# Altium PCB qfuse_PCB.PcbDoc (part 2 of 2)
Units mm, origin at the board's own origin, x right, y up, seen from the top; angles counter-clockwise.
Board outline 56 x 65 mm, 4 copper layers (Signal Layer 1, Top GND, Bottom GND, Signal Layer 2), stack 1.586 mm thick; 138 components, 67 nets, 465 pads, 427 vias.
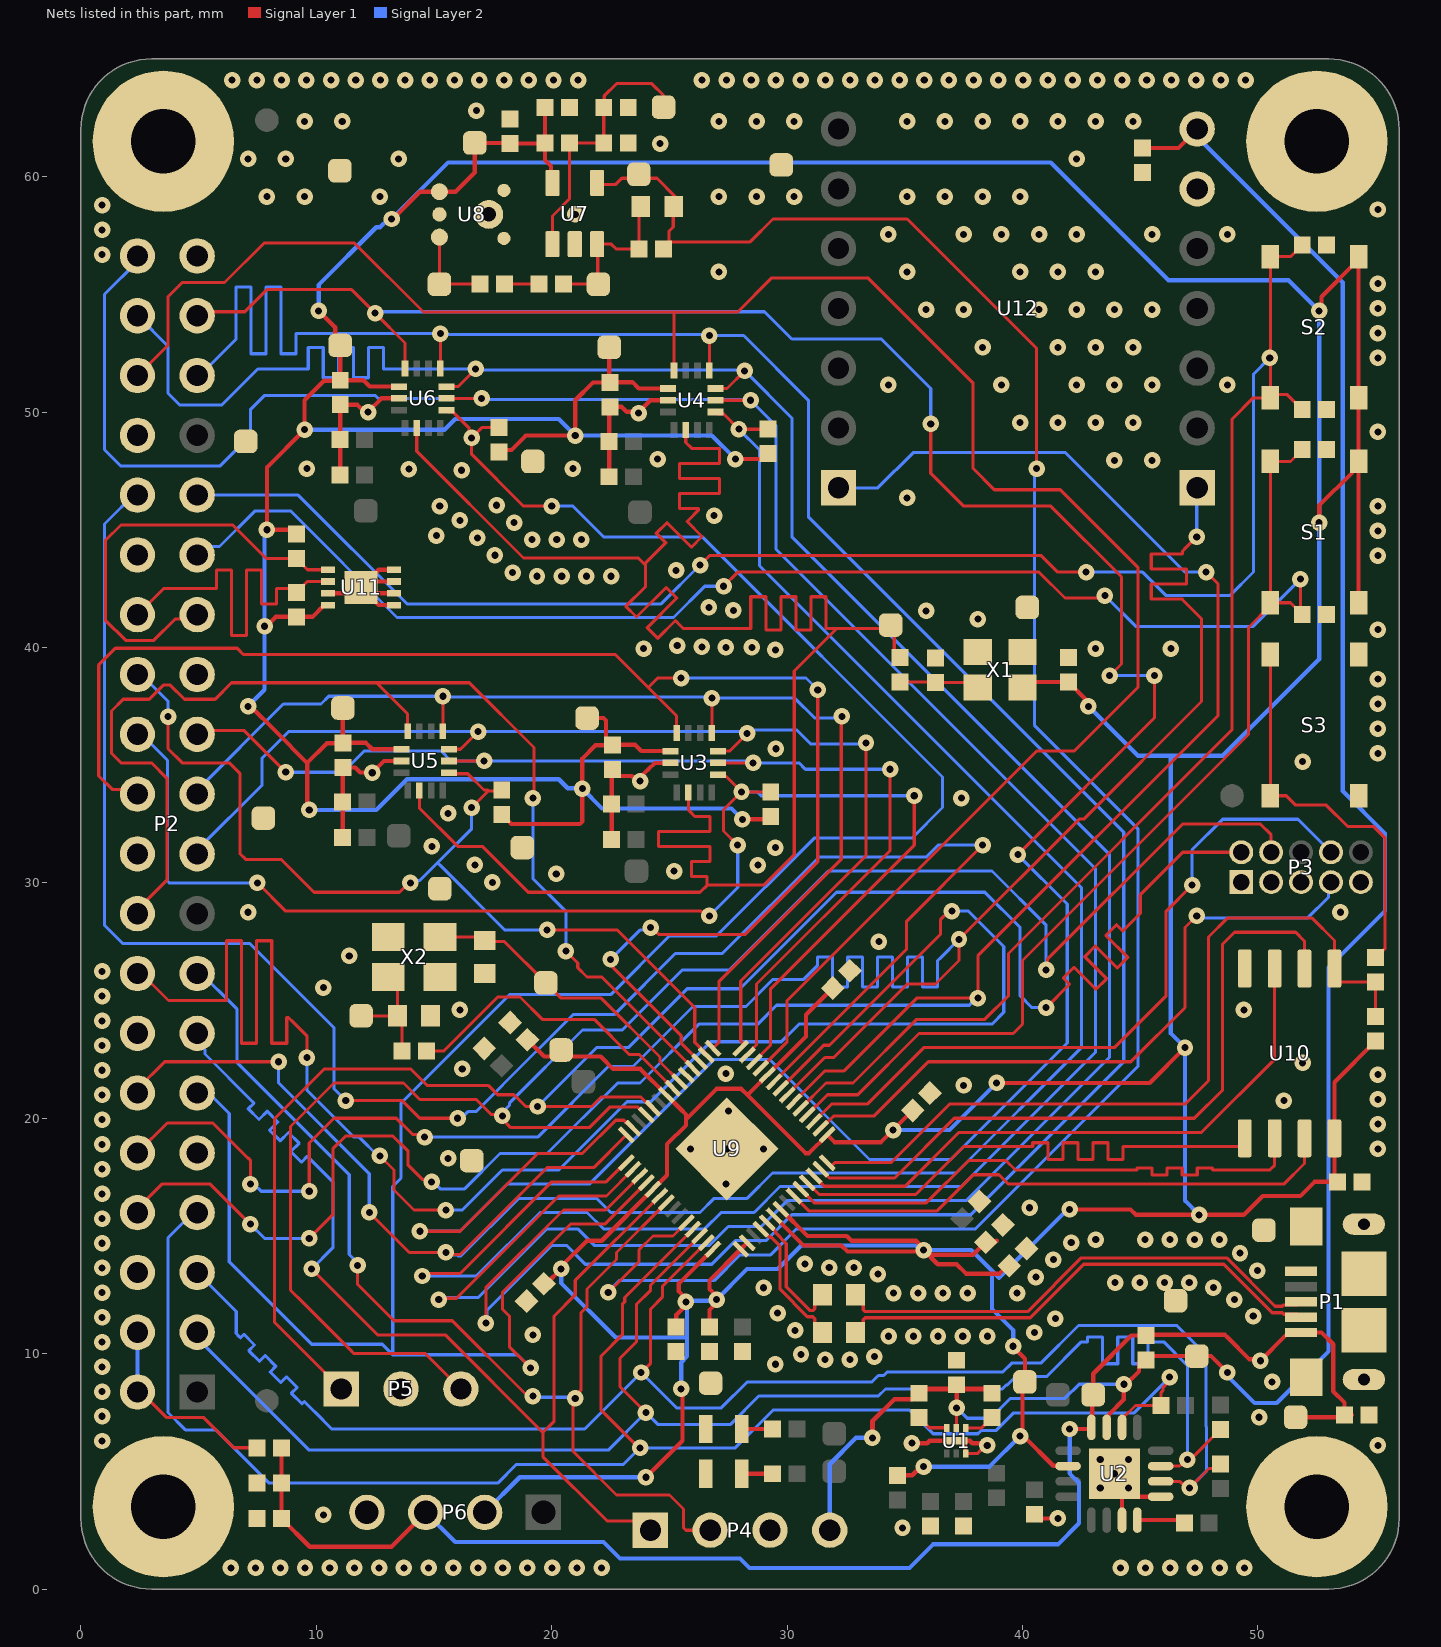
[diagram p4: the nets of this part, all layers, seen from the top]

## Via types
v1: diameter 0.7, hole 0.3, Signal Layer 1 to Signal Layer 2, 427 vias

## Nets (pads, with @x,y where several pads share a name; then routed paths per layer and width w, separated by ;. In a path a pad name is that pad's centre, name@x,y a point inside that pad or via, vN(x,y) a via of type N, cw(c..) or ccw(c..) an arc to the next point about the centre after c; other vN are vias at no path point) (continued)
"+3.3V VDDIO": C9.2 C12.2 C15.2 C18.2 C21.2 C24.2 C27.2 C28.2 C29.2 C30.2 C31.2 C32.2 C33.2 C34.2 C35.2 C41.2 P6.2 R8.2 R13.2 R14.2 R15.2 R16.2 R22.2 R27.2 R28.2 R29.2 S1.A S1.B S2.A S2.B T5.1 T13.1 T14.1 T21.1 T22.1 T26.1 T36.1 U2.14 U3.5 U4.5 U5.5 U6.5 U7.5 U8.4 U9.1 U9.10 U9.22 U9.33 U9.42 U9.43 U9.44 U9.48 U9.49 U10.8 U11.8 X1.4 | length 391.3
  Signal Layer 1 w0.18: v1(7.1,37.5) 7.206,37.5 8.261,36.445 9.61,35.096 ; v1(7.8,40.9) 7.877,40.9 8.277,41.3 9.839,41.3 10.339,41.8 U11.8@10.499,41.8 ; R27.2@9.15,44.82 8.97,45 v1(7.9,45) 7.9,47.65 v1(9.5,49.25) 9.5,50.5 10.33,51.33 10.997,51.33 C15.2@11.017,51.35 ; v1(9.7,33.1) 9.61,33.19 9.61,35.096 ; v1(10.1,54.3) 10.8,53.6 10.8,53.048 T21.1@11.017,52.83 C15.2@11.017,51.35 ; T13.1@11.127,37.427 C12.2@11.127,35.947 ; v1(13.2,58.2) 13.25,58.2 14.41,59.36 U8.4@15.23,59.36 15.91,59.36 16.73,60.18 T26.1@16.73,61.43 18.21,61.43 C24.2@18.23,61.41 19.69,61.41 R22.2@19.71,61.43 ; U6.5@13.505,51.08 12.267,51.08 11.997,51.35 C15.2@11.017,51.35 ; U5.5@13.614,35.677 12.377,35.677 12.107,35.947 C12.2@11.127,35.947 ; R16.2@17.767,48.31 17.848,48.392 18.292,48.392 18.9,49 v1(21,49) 21,50.5 21.75,51.25 22.424,51.25 22.444,51.27 C9.2@22.447,51.27 ; R15.2@17.877,32.907 18.284,32.5 21.195,32.5 21.3,32.605 v1(21.3,34) 21.3,35.287 21.86,35.846 22.534,35.846 22.554,35.866 C18.2@22.557,35.866 ; C31.2@18.968,23.332 19.68,22.62 20.12,22.62 T36.1@20.4,22.9 20.68,22.62 22.08,22.62 22.6,22.1 23.76,22.1 U9.22@24.869,20.991 25.48,20.38 25.7,20.16 25.7,19.95 ; C32.2@19.668,12.968 19.768,12.968 v1(20.4,13.6) 20.4,13.7 21.5,14.8 22.122,14.8 U9.33@24.303,16.982 24.9,17.578 24.9,18.9 25.7,19.7 25.7,19.95 ; C27.2@19.71,62.93 R22.2@19.71,61.43 ; U7.5@20.03,59.73 19.965,59.795 19.965,60.445 19.71,60.7 R22.2@19.71,61.43 ; T14.1@21.5,37 22.201,37 22.307,36.895 22.307,36.117 C18.2@22.557,35.866 ; T22.1@22.444,52.75 22.444,51.274 C9.2@22.447,51.27 ; C9.2@22.467,51.25 C9.2@22.447,51.27 ; C18.2@22.577,35.847 C18.2@22.557,35.866 ; v1(24,4.75) 25.55,6.3 25.55,8.45 v1(25.5,8.5) ; U4.5@24.931,51 23.694,51 23.424,51.27 C9.2@22.447,51.27 ; U3.5@25.041,35.596 23.804,35.596 23.534,35.866 C18.2@22.557,35.866 ; C33.2@25.282,11.126 25.292,11.137 25.292,11.652 25.7,12.059 25.7,12.341 25.4,12.641 25.4,12.987 U9.42@26.849,14.436 ; C28.2@26.697,11.127 26.7,11.13 26.7,11.859 27,12.159 27,12.441 26.7,12.741 26.7,13.106 U9.43@28.03,14.436 U9.44@28.313,14.719 ; v1(27.8,48) 28.964,48 R14.2@29.194,48.23 ; v1(28.1,32.7) 29.177,32.7 R13.2@29.304,32.826 ; U9.48@29.444,15.85 30.694,14.6 32.3,14.6 32.56,14.34 35.74,14.34 v1(35.8,14.4) ; U9.49@29.727,16.133 30.86,15 32.535,15 32.735,14.8 35.472,14.8 35.8,14.472 v1(35.8,14.4) ; C30.2@32,25.6 30.8,24.4 30.8,23.478 U9.10@29.161,21.84 28.311,20.989 ; R8.2@34.684,4.82 34.7,4.836 35.314,4.836 35.679,5.2 v1(35.8,5.2) ; C29.2@35.332,20.332 v1(34.5,19.5) 33.985,18.985 32.015,18.985 U9.1@31.707,19.294 30.931,18.518 30.782,18.518 28.311,20.989 ; v1@36.077,14.2 37.9,14.2 C35.2@38.432,14.732 ; C35.2@38.355,14.532 38.614,14.532 38.88,14.798 38.898,14.798 38.9,14.8 ; v1(38.9,21.5) 45.4,21.5 v1(46.9,23) ; C34.2@39.432,13.732 39.355,13.732 39.023,13.4 37.6,13.4 37.2,13.8 36.4,13.8 v1(35.8,14.4) ; v1(39.6,10.315) 39.6,10.285 40.1,9.785 T5.1@40.1,8.815 ; X1.4@40,38.3 40.23,38.53 C21.2@41.95,38.53 42.701,37.779 42.701,37.599 v1(42.8,37.5) ; T5.1@40.002,8.698 39.999,8.696 39.999,6.599 v1(39.9,6.5) 40.041,6.5 41.303,5.238 41.919,5.238 U2.14@41.932,5.225 ; v1(42,16.125) 44.588,16.125 44.813,15.9 v1(47.5,15.9) 49.4,15.9 50.2,16.7 51.8,16.7 52.4,17.3 C41.2@53.38,17.3 53.248,17.432 U10.8@53.248,19.149 53.248,21.528 R29.2@55,23.28 ; v1(52.6,45.3) 52.6,46.025 53.99,47.415 53.99,47.49 54.2,47.7 S1.A@54.275,47.7 ; v1(52.6,54.3) 52.699,54.399 52.699,54.899 S2.A@54.275,56.475 ; S1.B@54.275,41.9 S1.A@54.275,47.7 ; S2.A@54.275,56.6 S2.A@54.275,56.475 ; 9.61,35.096 10.44,35.927 11.107,35.927 C12.2@11.127,35.947 ; 25.7,19.95 27,21.25 28.05,21.25 28.311,20.989 ; S1.A@54.275,47.7 S1.A@54.275,47.9 S2.B@54.275,50.6 S2.A@54.275,56.475
  Signal Layer 2 w0.18: v1(7.1,37.5) 7.8,38.2 7.8,44.759 7.9,44.859 v1(7.9,45) ; v1(9.5,49.25) 15.45,49.25 15.9,49.7 20.3,49.7 v1(21,49) 26.8,49 v1(27.8,48) ; v1(9.7,33.1) 12.548,33.1 13.848,34.4 20.3,34.4 20.68,34.02 21.28,34.02 v1(21.3,34) 22.139,33.161 27.639,33.161 v1(28.1,32.7) ; v1(10.1,54.3) 10.1,55.4 12.548,57.848 12.707,57.848 13.059,58.2 v1(13.2,58.2) 15.6,60.6 41.2,60.6 46.2,55.6 51.3,55.6 v1(52.6,54.3) v1(52.6,45.3) 52.6,39.5 48.5,35.4 46.3,35.4 ; P6.2@17.15,3.258 18.642,4.75 v1(24,4.75) ; v1(20.4,13.6) 20.4,13 22.717,10.683 25.75,10.683 ; v1(25.5,8.5) 25.5,9.637 25.75,9.887 25.75,10.683 ; v1(34.5,19.5) 36.9,19.5 v1(38.9,21.5) ; v1(35.8,5.2) 38.6,5.2 v1(39.9,6.5) ; v1(39.6,10.315) 39.6,11 38.7,11.9 38.7,13.523 ; v1(42,16.125) 41.902,16.125 39,13.223 38.7,13.523 ; v1(42.8,37.5) 44.9,35.4 46.3,35.4 ; v1(47.5,15.9) 46.9,16.5 v1(46.9,23) 46.3,23.6 46.3,35.4 ; 25.75,10.683 25.75,12.25 26.95,12.25 28.3,13.6 29.6,13.6 30.6,14.6 35.459,14.6 35.659,14.4 37.823,14.4 38.7,13.523
  other v1: 25.7,12.2 27,12.3
+3V3: P3.1
"+5 VCC IN": C1.2 C6.2 C43.2 P1.1 P6.3 R1.2 R7.1 T1.1 T4.1 U2.12 | length 64.4
  Signal Layer 1 w0.18: R1.2@8.52,6 C43.2@8.52,4.5 C6.2@8.52,3 9.72,1.8 13.192,1.8 P6.3@14.65,3.258 ; v1(42,6.8) 42.84,6.8 42.925,6.715 42.925,6.8 U2.12@42.925,6.868 42.96,6.904 42.96,8.21 T4.1@43,8.25 43,9.15 44.62,10.77 R7.1@45.25,10.77 45.28,10.8 48.6,10.8 48.7,10.7 49.642,9.758 50.042,9.758 v1(50.1,9.7) 51.19,10.79 51.715,10.79 P1.1@51.825,10.9 ; T1.1@51.6,7.3 53.58,7.3 C1.2@53.68,7.4 53.68,7.92 53.2,8.4 53.2,10.4 52.7,10.9 P1.1@52.4,10.9 ; C1.2@53.856,7.524 C1.2@53.98,7.4
  Signal Layer 2 w0.18: P6.3@14.602,3.298 15.9,2 22.2,2 22.9,1.3 28,1.3 28.4,0.9 35.2,0.9 36.2,1.9 41.502,1.9 42.4,2.798 42.4,4.516 42,4.916 v1(42,6.8)
"+5V VCC": C2.2 C42.2 P4.4 R4.1 R6.1 R7.2 T3.1 U1.5 U2.11 U12.13 | length 94.2
  Signal Layer 1 w0.131: U1.5@37.184,6.847 37.192,6.855 37.192,7.692 v1(37.2,7.7)
  Signal Layer 1 w0.18: U2.11@43.575,6.868 43.575,7.28 43.667,7.372 43.667,7.417 44.3,8.05 v1(44.3,8.7) 44.4,8.7 44.95,9.25 44.95,9.63 45.1,9.78 45.2,9.78 R7.2@45.25,9.73 45.42,9.9 T3.1@47.4,9.9 48,9.9 v1(48.7,9.2) ; C42.2@45.1,61.22 46.62,61.22 U12.13@47.42,62.02
  Signal Layer 1 w0.2: v1(33.625,6.425) 33.625,7.125 34.56,8.06 35.34,8.06 35.78,8.5 37.02,8.5 C2.2@37.2,8.68 ; v1(37.2,7.7) C2.2@37.2,8.68 ; R6.1@38.7,8.32 38.52,8.5 37.38,8.5 C2.2@37.2,8.68
  Signal Layer 2 w0.14: v1(37.2,7.7) 37.212,7.7 37.652,7.26 38.647,7.26 39.487,8.1 41.8,8.1 42.4,8.7 v1(44.3,8.7)
  Signal Layer 2 w0.18: U12.13@47.42,62.02 47.42,61.68 53.6,55.5 53.6,33.9 55.4,32.1 55.4,28.8 53,26.4 53,10.1 50.8,7.9 49.859,7.9 48.7,9.059 v1(48.7,9.2)
  Signal Layer 2 w0.2: P4.4@31.81,2 31.81,5.31 32.925,6.425 v1(33.625,6.425)
CLK: C23.2 R19.1 X1.3 | length 3.4
  Signal Layer 1 w0.131: R19.1@34.8,38.53 36.28,38.53 C23.2@36.3,38.51 37.89,38.51 X1.3@38.1,38.3
CLOCK: R19.2 T25.1 U3.9 U4.9 U5.9 U6.9 | length 97
  Signal Layer 1 w0.131: U6.9@14.267,49.318 14.267,48.333 18.8,43.8 23.675,43.8 23.938,43.537 ; U5.9@14.377,33.915 14.377,33.177 16.004,31.55 17.05,31.55 19,29.6 26.3,29.6 26.6,29.9 ; U4.9@25.694,49.238 25.694,48.839 25.694,48.706 25.941,48.459 27.125,48.459 27.125,47.82 25.429,47.82 25.429,47.181 27.125,47.181 27.125,46.542 25.429,46.542 25.429,45.903 26.226,45.903 26.226,45.826 26.161,45.761 25.872,45.472 25.75,45.35 26.386,44.714 25.934,44.262 24.893,45.304 24.441,44.852 24.846,44.446 24.8,44.4 23.975,43.575 23.975,43.49 23.975,42.569 23.151,41.744 23.602,41.293 24.858,42.548 25.31,42.097 24.054,40.841 24.506,40.389 25.259,41.141 25.313,41.087 25.359,41.041 25.6,40.8 28.39,40.8 28.455,40.8 28.455,42.153 29.094,42.153 29.094,40.732 29.733,40.732 29.733,42.153 30.372,42.153 30.372,40.732 31.011,40.732 31.011,42.153 31.65,42.153 31.65,40.8 31.8,40.8 32.1,40.8 ; U3.9@25.804,33.834 25.804,33.105 25.804,33.096 25.86,33.04 26.078,32.822 26.723,32.822 26.723,32.183 24.542,32.183 24.542,31.544 26.723,31.544 26.723,30.905 25.943,30.905 25.943,30.266 26.6,30.266 26.6,30.2 26.6,29.9 ; R19.2@34.8,39.57 34.55,39.82 34.55,40.8 T25.1@34.4,40.95 34.25,40.8 32.1,40.8 ; 26.6,29.9 29,29.9 30.3,31.2 30.3,39 32.1,40.8
CONNECT_CTS: P2.16 U9.8 | length 79.1
  Signal Layer 1 w0.131: P2.16@2.4,26.32 3.72,25 6.123,25 6.189,25 6.189,27.54 6.828,27.54 6.828,23.187 7.467,23.187 7.467,27.54 8.106,27.54 8.106,23.187 8.745,23.187 8.745,24.279 8.821,24.279 9,24.1 9.6,23.5 v1(9.6,22.575) ; v1(12.7,18.4) 13.3,17.8 13.3,16.95 14.15,16.1 v1(15.5,16.1) ; U9.8@29.727,21.274 31.553,23.1 31.8,23.1 36.506,27.806 36.506,28.428 36.878,28.8 v1(37,28.8)
  Signal Layer 2 w0.131: v1(9.6,22.575) 9.6,21.2 11.6,19.2 11.822,19.2 12.622,18.4 v1(12.7,18.4) ; v1(15.5,16.1) 16.2,16.1 17.9,17.8 20.3,17.8 23.2,20.7 24.2,20.7 26.75,23.25 29.75,23.25 30.5,24 38.7,24 39.2,24.5 39.2,27.3 37.7,28.8 v1(37,28.8)
CONNECT_RTS: P2.32 U9.9 | length 79.8
  Signal Layer 1 w0.131: v1(11.25,20.75) 13.65,20.75 14.4,20 v1(16,20) ; U9.9@29.444,21.557 35.075,27.188 35.075,28.375 v1(38.3,31.6)
  Signal Layer 2 w0.131: P2.32@2.4,46.64 1,45.24 1,28.2 1.775,27.425 7.175,27.425 10.75,23.85 10.75,21.25 v1(11.25,20.75) ; v1(16,20) 16.154,20 16.437,20.283 16.783,20.283 19.1,22.6 19.5,23 20.9,24.4 22.65,24.4 25.25,27 27.25,27 31.35,31.1 35.907,31.1 36.407,31.6 v1(38.3,31.6)
CONNECT_RX: P2.10 U9.7 U12.7 | length 94.3
  Signal Layer 1 w0.131: P2.10@2.4,18.53 3.67,19.8 5.6,19.8 7.1,18.3 7.123,18.3 7.2,18.223 v1(7.2,17.2) ; v1(9.7,16.9) 9.7,18.95 10.75,20 13.4,20 14.091,19.309 14.491,19.309 v1(14.6,19.2) ; U9.7@30.01,20.991 31.6,22.581 31.981,22.581 35.1,25.7 36.3,25.7 37.3,26.7 v1(37.3,27.6) 42.404,32.704 42.604,32.704 47.6,37.7 47.6,41.223 46.83,41.993 46.8,42.023 46.8,42.058 45.466,42.058 45.466,42.697 46.973,42.697 46.973,43.336 45.466,43.336 45.466,43.975 46.8,43.975 46.8,44.1 46.907,44.207 v1(47.4,44.7)
  Signal Layer 2 w0.131: v1(7.2,17.2) 7.354,17.2 7.654,16.9 v1(9.7,16.9) ; v1(14.6,19.2) 19.4,19.2 22.4,22.2 23.45,22.2 26,24.75 28.25,24.75 29.4,25.9 30.7,25.9 31.216,26.416 31.281,26.481 31.281,26.856 31.92,26.856 31.92,25.576 32.559,25.576 32.559,26.856 33.198,26.856 33.198,25.576 33.837,25.576 33.837,26.856 34.476,26.856 34.476,25.576 35.115,25.576 35.115,26.856 35.754,26.856 35.754,25.576 36.393,25.576 36.393,26.7 36.4,26.7 36.497,26.797 v1(37.3,27.6) ; v1(47.4,44.7) 47.4,46.76 U12.7@47.42,46.78
CONNECT_TX: P2.8 U9.6 U12.6 | length 95.7
  Signal Layer 1 w0.131: P2.8@2.4,16.16 3.44,17.2 5.5,17.2 v1(7.2,15.5) ; v1(9.7,14.9) 10.7,15.9 10.7,18.7 11.25,19.25 13.25,19.25 13.9,18.6 13.9,18 14.495,17.405 14.795,17.405 v1(14.9,17.3) ; U9.6@30.293,20.708 31.584,22 32.4,22 35.5,25.1 v1(38.1,25.1) 38.1,26.9 48.3,37.1 48.3,42.7 v1(47.8,43.2)
  Signal Layer 2 w0.131: v1(7.2,15.5) 7.8,14.9 v1(9.7,14.9) ; v1(14.9,17.3) 14.961,17.3 15.261,17 16.3,17 17.8,18.5 19.8,18.5 22.8,21.5 23.75,21.5 26.25,24 28.75,24 29.55,24.8 37.739,24.8 38.039,25.1 v1(38.1,25.1) ; U12.6@32.18,46.78 33.855,46.78 35.35,48.275 41.825,48.275 46.9,43.2 v1(47.8,43.2)
DEBUG_RX: P3.7 U9.2 | length 28.4
  Signal Layer 1 w0.131: U9.2@31.424,19.577 31.469,19.577 31.992,20.1 33.7,20.1 36,22.4 44.6,22.4 46.9,24.7 46.9,28.1 v1(47.4,28.6)
  Signal Layer 2 w0.131: v1(47.4,28.6) 47.5,28.5 52.1,28.5 53.002,29.402 53.002,29.932 P3.7@53.1,30.03
DEBUG_TX: P3.8 U9.3 | length 30.8
  Signal Layer 1 w0.131: U9.3@31.141,19.86 31.881,20.6 33.4,20.6 35.8,23 43.9,23 46.1,25.2 46.1,28.8 v1(47.2,29.9)
  Signal Layer 2 w0.131: v1(47.2,29.9) 47.2,31.4 48.5,32.7 51.7,32.7 P3.8@53.1,31.3
EEPROM_SCL: P2.28 R28.1 U11.6 | length 17.3
  Signal Layer 1 w0.131: P2.28@2.4,41.39 3.51,42.5 5.691,42.5 5.757,42.5 5.757,43.29 6.396,43.29 6.396,40.514 7.035,40.514 7.035,43.29 7.674,43.29 7.674,41.843 8.313,41.843 8.313,42.5 8.395,42.5 8.99,42.5 R28.1@9.15,42.34 9.611,42.801 U11.6@10.499,42.801
EEPROM_SDA: P2.27 R27.1 U11.5 | length 18.7
  Signal Layer 1 w0.131: P2.27@4.94,41.56 4.583,41.56 4.223,41.2 4,41.2 3.1,40.3 1.9,40.3 1.041,41.159 1.041,44.541 1.7,45.2 6.457,45.2 7.877,43.78 R27.1@9.15,43.78 9.628,43.302 U11.5@10.499,43.302
GND: C1.1 C2.1 C3.1 C4.1 C5.1 C6.1 C7.1 C8.1 C9.1 C10.1 C11.1 C12.1 C13.1 C14.1 C15.1 C16.1 C17.1 C18.1 C20.1 C21.1 C23.1 C24.1 C25.1 C26.1 C27.1 C28.1 C29.1 C30.1 C31.1 C32.1 C33.1 C34.1 C35.1 C36.2 C37.1 C38.1 C39.1 C40.1 C41.1 C42.1 C43.1 D1.C D2.C P1.5 P1.S1 P1.S2 P1.S3 P1.S4 P1.S5 P1.S6 P2.6 P2.9 P2.14 P2.20 P2.25 P2.30 P2.34 P2.39 P3.3 P3.5 P3.9 P4.3 P5.2 P6.4 pad.6 pad.7 pad.8 pad.9 R18.1 R21.1 R23.1 S3.A S3.B T2.1 T9.1 T11.1 T15.1 T16.1 T23.1 T24.1 T30.1 T31.1 T33.1 T34.1 T35.1 U1.3 U1.7 U2.3 U2.5 U2.17 U3.6 U4.6 U5.6 U6.6 U7.2 U8.2 U8.3 U8.5 U8.6 U9.19 U9.57 U10.4 U11.1 U11.2 U11.3 U11.4 U11.7 U11.9 U12.12 X1.1 X1.2 X2.2 X2.4 | length 41.8
  Signal Layer 1 w0.131: U1.3@37.584,5.752 37.584,5.826 U1.7@37.584,6.215 ; U1.3@37.584,5.8 U1.3@37.631,5.753 ; U1.3@37.631,5.752 38.075,5.752 38.422,6.1 v1(38.5,6.1)
  Signal Layer 1 w0.18: U11.7@10.499,42.302 11.652,42.302 U11.9@11.9,42.55 ; C13.1@10.997,47.33 11.017,47.35 C15.1@11.017,50.31 11.022,50.306 11.754,50.306 12.059,50 v1(12.2,50) 12.2,50.013 12.767,50.58 U6.6@13.505,50.58 ; C10.1@11.107,31.927 11.127,31.947 C12.1@11.127,34.907 11.131,34.902 11.651,34.902 11.868,34.685 12.368,34.685 v1(12.377,34.677) 12.877,35.177 U5.6@13.614,35.177 ; U11.1@13.299,41.8 12.65,41.8 U11.9@12.148,42.302 ; U11.2@13.299,42.302 U11.9@12.148,42.302 ; U11.3@13.299,42.8 U11.9@12.15,42.8 ; U11.4@13.299,43.302 12.652,43.302 U11.9@12.15,42.8 ; C7.1@22.424,47.25 22.444,47.27 22.444,50.23 22.448,50.225 22.968,50.225 23.185,50.008 23.643,50.008 v1(23.694,49.958) ; C16.1@22.534,31.846 22.554,31.866 22.554,33.346 22.554,34.826 22.843,34.537 23.398,34.537 23.609,34.325 v1(23.75,34.325) 23.75,34.466 24.115,34.831 24.38,35.097 U3.6@25.041,35.097 ; v1@23.694,50 24.194,50.5 U4.6@24.931,50.5 ; v1(27.439,18.704) U9.57@27.439,20.118 ; C3.1@40.5,3.18 40.77,2.91 40.77,3 v1(41.5,3) ; v1(43.9,4.9) 44.225,4.575 U2.3@44.225,2.931 ; v1(44.5,4.3) 44.875,3.925 U2.5@45.869,3.925 ; U11.9@11.9,42.55 U11.9@12.15,42.8 ; U11.9@11.9,42.55 U11.9@12.148,42.302
  Signal Layer 1 w0.2: v1(35.3,6.2) 35.95,6.2 36.05,6.3 37.765,6.3 37.869,6.196 38.404,6.196 v1(38.5,6.1)
  other v1: 6.369,0.903 7.419,0.903 8.469,0.903 9.519,0.903 10.569,0.903 11.619,0.903 12.669,0.903 13.719,0.903 14.769,0.903 15.819,0.903 16.869,0.903 17.919,0.903 18.969,0.903 20.019,0.903 21.069,0.903 22.119,0.903 44.169,0.903 45.219,0.903 46.269,0.903 47.319,0.903 48.369,0.903 49.419,0.903 34.9,2.6 10.3,3.15 43.3,4.3 43.3,5.5 44.5,5.5 55.097,6.103 0.903,6.291 50.05,7.3 0.903,7.341 0.903,8.391 50.6,8.8 0.903,9.441 29.5,9.55 31.615,9.744 32.665,9.744 33.706,9.879 30.589,9.966 0.903,10.491 34.308,10.74 35.358,10.74 36.408,10.74 37.458,10.74 38.508,10.74 19.2,10.8 40.5,10.9 30.342,10.987 41.397,11.491 0.903,11.541 49.8,11.6 29.596,11.725 49,12.3 34.518,12.571 35.568,12.571 36.618,12.571 37.668,12.571 39.768,12.571 0.903,12.591 29,12.8 48.109,12.807 43.931,13.018 44.981,13.018 46.031,13.018 47.081,13.018 40.567,13.251 33.851,13.382 49.979,13.527 0.903,13.641 31.787,13.656 32.837,13.656 30.749,13.815 41.31,13.994 49.237,14.269 0.903,14.691 42.067,14.721 48.36,14.846 43.11,14.849 45.21,14.849 46.26,14.849 47.31,14.849 0.903,15.741 40.3,16.2 0.903,16.791 27.4,17.2 0.903,17.841 15.6,18.3 25.9,18.7 29,18.7 55.097,18.703 0.903,18.891 55.097,19.753 0.903,19.941 27.5,20.3 51.1,20.75 55.097,20.803 0.903,20.991 37.5,21.4 55.097,21.853 27.4,21.9 0.903,22.041 16.2,22.1 51.9,22.35 0.903,23.091 0.903,24.141 16.1,24.6 49.4,24.6 0.903,25.191 10.3,25.55 0.903,26.241 11.4,26.9 33.9,27.5 7.1,28.75 53.5,28.75 17.478,30.023 20.191,30.377 25.2,30.5 16.735,30.766 28.755,30.754 29.498,31.497 14.907,31.547 15.6,32.95 37.4,33.6 51.9,35.15 55.097,35.503 29.523,35.696 55.097,36.553 55.097,37.603 55.097,38.653 29.5,39.9 23.9,39.95 43.1,39.95 46.3,39.95 27.4,40 28.5,40 26.381,40.023 25.332,40.076 55.097,40.753 38.1,41.2 35.9,41.55 27.72,41.577 26.678,41.705 19.374,43.023 20.424,43.023 21.474,43.023 22.524,43.023 18.336,43.18 25.287,43.274 55.097,43.903 17.586,43.915 19.163,44.577 20.213,44.577 21.263,44.577 16.844,44.658 15.1,44.75 55.097,44.953 18.4,45.299 16.101,45.4 26.9,45.6 15.243,46.004 55.097,46.003 17.658,46.041 35.1,46.35 16.173,47.526 13.929,47.572 9.6,47.6 20.9,47.6 43.9,47.95 45.5,47.95 24.5,48 55.097,49.153 39.9,49.55 41.5,49.55 43.1,49.55 44.7,49.55 34.3,51.15 39.1,51.15 42.3,51.15 43.9,51.15 45.5,51.15 48.7,51.15 55.097,52.303 38.3,52.75 41.5,52.75 43.1,52.75 44.7,52.75 55.097,53.353 35.9,54.35 37.5,54.35 40.7,54.35 42.3,54.35 43.9,54.35 45.5,54.35 55.097,54.403 55.097,55.453 27.1,55.95 35.1,55.95 39.9,55.95 41.5,55.95 43.1,55.95 0.903,56.691 34.3,57.55 37.5,57.55 39.1,57.55 40.7,57.55 42.3,57.55 45.5,57.55 48.7,57.55 0.903,57.741 21,58.4 55.097,58.603 0.903,58.791 7.9,59.15 9.5,59.15 12.7,59.15 27.1,59.15 28.7,59.15 30.3,59.15 35.1,59.15 36.7,59.15 38.3,59.15 39.9,59.15 7.1,60.75 8.7,60.75 13.5,60.75 42.3,60.75 24.6,61.4 9.5,62.35 11.1,62.35 27.1,62.35 28.7,62.35 30.3,62.35 35.1,62.35 36.7,62.35 38.3,62.35 39.9,62.35 41.5,62.35 43.1,62.35 44.7,62.35 16.8,62.8 6.425,64.097 7.475,64.097 8.525,64.097 9.575,64.097 10.625,64.097 11.675,64.097 12.725,64.097 13.775,64.097 14.825,64.097 15.875,64.097 16.925,64.097 17.975,64.097 19.025,64.097 20.075,64.097 21.125,64.097 26.375,64.097 27.425,64.097 28.475,64.097 29.525,64.097 30.575,64.097 31.625,64.097 32.675,64.097 33.725,64.097 34.775,64.097 35.825,64.097 36.875,64.097 37.925,64.097 38.975,64.097 40.025,64.097 41.075,64.097 42.125,64.097 43.175,64.097 44.225,64.097 45.275,64.097 46.325,64.097 47.375,64.097 48.425,64.097 49.475,64.097
I2C_SCL: P2.5 R2.1 U2.6 U9.41 | length 67.5
  Signal Layer 1 w0.131: v1(23.8,9.2) 24.2,9.6 24.2,11.9 24.7,12.4 24.7,12.853 U9.41@26.566,14.719 ; U2.6@45.869,4.575 46.671,4.575 46.946,4.3 v1(47.1,4.3) 47.92,5.12 48.2,5.12 R2.1@48.4,5.32
  Signal Layer 2 w0.131: P2.5@4.94,13.45 6.6,11.79 6.6,10.856 6.733,10.723 6.779,10.677 6.925,10.823 7.377,10.371 7.134,10.129 7.586,9.677 7.829,9.92 8.281,9.468 8.038,9.225 8.49,8.773 8.732,9.016 9.184,8.564 8.941,8.321 9.393,7.869 9.49,7.966 9.882,7.574 9.928,7.528 10.656,6.8 21.4,6.8 v1(23.8,9.2) 25.3,7.7 27.2,7.7 28.3,8.8 33.6,8.8 33.875,9.075 34.1,9.075 34.25,9.225 39.165,9.225 39.54,9.6 40.775,9.6 42.375,11.2 46.55,11.2 47.791,9.959 47.791,6.909 47.808,6.892 47.808,5.008 v1(47.1,4.3)
I2C_SDA: P2.3 R5.1 U2.7 U9.40 | length 68.1
  Signal Layer 1 w0.131: v1(24,7.5) 22.9,8.6 22.9,9.8 23.6,10.5 23.6,12.1 24.2,12.7 24.2,12.919 U9.40@26.283,15.002 ; U2.7@45.869,5.225 46.671,5.225 46.946,5.5 47.12,5.5 R5.1@48.4,6.78
  Signal Layer 2 w0.131: P2.3@4.94,10.91 4.94,10.66 9.7,5.9 22.4,5.9 v1(24,7.5) 24.5,7 27.6,7 28.8,8.2 33.875,8.2 34.175,8.5 39.14,8.5 39.316,8.676 39.357,8.676 39.71,9.029 41.029,9.029 42.5,10.5 42.7,10.5 42.766,10.5 42.766,10.717 43.405,10.717 43.405,9.572 44.044,9.572 44.044,10.717 44.683,10.717 44.683,9.572 45.322,9.572 45.322,10.5 45.9,10.5 46,10.5 47,9.5 v1(47,5.5)
IMU0_CS1: P2.24 R13.1 U3.12 U9.12 | length 60.8
  Signal Layer 1 w0.131: v1(7.5,30) 8.7,28.8 26.346,28.8 26.546,28.6 v1(26.7,28.6) ; U3.12@27.066,34.596 27.141,34.522 27.405,34.522 v1(28.061,33.866) ; v1(27.9,31.6) 27.3,32.2 27.3,33.106 v1(28.061,33.866) ; U9.12@28.595,22.405 29.3,23.11 29.3,25.5 35.4,31.6 v1(35.4,33.7) ; R13.1@29.054,33.866 v1(28.061,33.866)
  Signal Layer 2 w0.131: P2.24@2.4,36.48 3.677,35.203 3.677,30.077 3.753,30 v1(7.5,30) ; v1(26.7,28.6) 27.9,29.8 27.9,31.382 28.009,31.491 v1(27.9,31.6) ; v1(28.061,33.866) 28.734,33.866 28.9,33.7 v1(35.4,33.7)
IMU0_CS2: P2.26 R15.1 U5.12 U9.16 | length 42.9
  Signal Layer 1 w0.131: v1(3.7,37.058) 3.7,35.7 4.3,35.1 6.3,35.1 6.75,34.65 6.75,31.25 7,31 8.5,31 9.9,29.6 13.534,29.6 13.934,30 v1(14,30) ; U5.12@15.639,34.677 15.682,34.634 16.438,34.634 17.125,33.947 17.3,33.947 ; v1(16.6,33.2) 17.3,33.9 17.92,33.9 17.82,33.8 R15.1@17.674,33.947 ; v1(19.8,28) 22.782,28 26.074,24.708 26.074,23.229 26.566,22.737 U9.16@26.566,22.688
  Signal Layer 2 w0.131: P2.26@2.4,39.02 3.7,37.72 v1(3.7,37.058) ; v1(14,30) 14.105,30.105 14.405,30.105 15.15,30.85 ; v1(16.6,33.2) 16.6,32.3 15.15,30.85 ; v1(19.8,28) 18,28 17.8,28.2 15.3,30.7 15.15,30.85
IMU0_INT1: P2.22 U3.4 U9.17 | length 65
  Signal Layer 1 w0.131: P2.22@2.4,33.77 2.2,33.97 1.33,33.97 0.758,34.542 0.758,39.258 1.466,39.966 6.635,39.966 6.9,39.7 22.7,39.7 24.102,38.298 ; v1(22.5,26.75) 22.609,26.641 22.609,26.391 25.5,23.5 25.5,23.188 U9.17@26.283,22.405 ; v1(24.2,28.1) 24.261,28.1 24.561,27.8 28.2,27.8 31.3,30.9 v1(31.3,38.2) ; U3.4@25.303,36.358 25.303,37.097 24.102,38.298 ; v1(25.5,38.7) 24.503,38.7 24.102,38.298
  Signal Layer 2 w0.131: v1(22.5,26.75) 23.741,27.991 24.091,27.991 v1(24.2,28.1) ; v1(25.5,38.7) 30.8,38.7 v1(31.3,38.2)
IMU0_INT2: P2.18 U5.4 U9.18 | length 50.2
  Signal Layer 1 w0.131: P2.18@2.4,28.86 3.65,30.11 3.65,34.45 3,35.1 1.7,35.1 1.3,35.5 1.3,37.3 1.8,37.8 2.9,37.8 3.5,38.4 3.8,38.4 4.4,37.8 5.7,37.8 6.4,38.5 12.554,38.5 ; U5.4@13.877,36.439 13.877,37.177 12.554,38.5 ; v1(19.2,33.6) 19.25,33.65 19.25,35.75 16.5,38.5 12.554,38.5 ; v1(20.6,27.1) 21.104,26.596 21.104,26.396 21.5,26 22.123,26 U9.18@26,22.122
  Signal Layer 2 w0.131: v1(19.2,33.6) 19.2,30.188 20.6,28.788 v1(20.6,27.1)
IMU0_MISO: P2.21 U3.1 U5.1 U9.15 | length 48.7
  Signal Layer 1 w0.131: U5.1@15.377,36.439 v1(15.377,37.927) ; U3.1@26.804,36.358 v1(26.804,37.846) ; U9.15@26.849,22.971 27.1,23.222 27.1,25.8 32.3,31 v1@32.3,37
  Signal Layer 2 w0.131: P2.21@4.94,33.94 8.6,37.6 8.634,37.6 10.2,37.6 10.527,37.927 10.578,37.927 v1(15.377,37.927) 15.417,37.887 26.763,37.887 v1(26.804,37.846) 30.327,37.846 31.173,37 v1@32.3,37
  other v1: 32.325,37.075
IMU0_MOSI: P2.19 U3.14 U5.14 U9.14 | length 49.7
  Signal Layer 1 w0.131: U5.14@15.639,35.677 16.127,35.677 v1(16.877,36.427) ; U3.14@27.066,35.596 27.554,35.596 v1(28.304,36.346) ; U9.14@28.03,22.971 28.161,23.102 28.161,23.151 28.03,23.282 28.03,25.83 33.35,31.15 v1(33.35,35.95)
  Signal Layer 2 w0.131: P2.19@4.94,31.4 7.7,34.16 7.7,35.3 8.827,36.427 28.223,36.427 v1(28.304,36.346) 28.458,36.346 28.611,36.5 30.4,36.5 31,35.9 v1@33.168,35.9
IMU0_SCLK: P2.23 U3.13 U5.13 U9.13 | length 48.5
  Signal Layer 1 w0.131: P2.23@4.94,36.48 6.92,36.48 v1(8.7,34.7) ; U5.13@15.639,35.177 v1(17.127,35.177) ; U3.13@27.066,35.097 v1(28.554,35.096) ; U9.13@28.313,22.688 28.313,22.737 28.7,23.124 28.7,25.7 34.375,31.375 v1(34.375,34.825)
  Signal Layer 2 w0.131: v1(8.7,34.7) 11.13,34.7 12.03,35.6 15.3,35.6 15.723,35.177 28.473,35.177 v1(28.554,35.096) 30.504,35.096 30.775,34.825 v1(34.375,34.825)
IMU1_CS1: P2.12 R14.1 U4.12 U9.28 | length 94.1
  Signal Layer 1 w0.131: P2.12@2.4,21.24 3.56,22.4 v1(8.4,22.4) ; v1(12.25,16) 13.95,14.3 v1(15.5,14.3) 15.588,14.212 16.112,14.212 19.8,17.9 21.778,17.9 23.148,19.27 U9.28@23.172,19.294 ; U4.12@26.956,50 27.031,49.926 27.295,49.926 v1(27.951,49.27) R14.1@28.944,49.27
  Signal Layer 2 w0.131: v1(8.4,22.4) 8.4,21.5 12.25,17.65 v1(12.25,16) ; v1(15.5,14.3) 15.609,14.191 15.971,14.191 16.016,14.147 16.147,14.147 18.6,16.6 21.9,16.6 22.5,16 26.3,16 26.9,16.6 28.3,16.6 29.376,17.676 37.176,17.676 42.5,23 42.5,29.8 28.825,43.475 28.825,48.396 v1(27.951,49.27)
IMU1_CS2: P2.11 R16.1 U6.12 U9.32 | length 104.1
  Signal Layer 1 w0.131: U6.12@15.529,50.08 15.604,50.006 15.801,50.006 16.491,49.316 16.491,49.009 v1(16.6,48.9) ; R16.1@17.517,49.35 17.05,49.35 v1(16.6,48.9) ; v1(19.1,9.4) 18.2,10.3 18.2,11.6 17.9,11.9 17.9,12.6 20.8,15.5 22.256,15.5 U9.32@24.02,17.265 ; v1(20,46) 18.8,46 16.6,48.2 v1(16.6,48.9)
  Signal Layer 2 w0.131: P2.11@4.94,21.24 5.26,21.24 6.3,20.2 6.3,13.9 9.8,10.4 12.8,10.4 13.246,9.954 ; v1(19.1,9.4) 18.546,9.954 13.246,9.954 ; v1(20,46) 20.9,46 22.2,44.7 26.4,44.7 36.6,34.5 36.6,33.2 35.3,31.9 31.15,31.9 27,27.75 25,27.75 22.5,25.25 18.209,25.25 13.6,20.641 13.6,17.457 13.246,17.102 13.246,9.954
IMU1_INT3: P2.36 U4.4 U9.11 | length 86.4
  Signal Layer 1 w0.131: P2.36@2.41,51.55 3.7,52.84 3.7,54.9 4.3,55.5 6.1,55.5 7.782,57.182 11.618,57.182 14.55,54.25 25.194,54.25 ; U4.4@25.194,51.762 25.194,54.25 ; U9.11@28.878,22.122 30,23.244 30,25 40.6,35.6 42.2,35.6 44.9,38.3 44.9,43.4 41.6,46.7 38.8,46.7 37.9,47.6 37.9,51.225 33.425,55.7 29.347,55.7 27.897,54.25 25.194,54.25
IMU1_INT4: P2.37 U6.4 U9.27 | length 120.4
  Signal Layer 1 w0.131: P2.37@4.94,54.26 6.96,54.26 7.9,55.2 11.5,55.2 v1(12.5,54.2) 13.767,52.933 U6.4@13.767,51.842 ; v1(14.4,15.2) 16.1,15.2 19.4,18.5 21.3,18.5 22.717,19.917 23.066,19.917 23.406,19.577 U9.27@23.455,19.577 ; v1(36.1,49.5) 36.1,47.4 37.5,46 41.2,46 44.2,43 44.2,39.3 v1(43.7,38.8) ; v1(39.8,31.2) 45.6,37 v1(45.6,38.8)
  Signal Layer 2 w0.131: v1(12.5,54.2) 12.56,54.26 29.04,54.26 30.2,53.1 34,53.1 36.1,51 v1(36.1,49.5) ; v1(14.4,15.2) 16.1,15.2 18.1,17.2 21.6,17.2 26.9,22.5 29.25,22.5 33.5,18.25 36.95,18.25 41.9,23.2 41.9,29.1 v1(39.8,31.2) ; v1(43.7,38.8) v1(45.6,38.8)
IMU1_MISO: P2.35 U4.1 U6.1 U9.31 | length 118.6
  Signal Layer 1 w0.131: U6.1@15.267,51.842 v1(15.267,53.33) ; v1(17.2,11.3) 17.2,12.8 20.5,16.1 22.29,16.1 U9.31@23.738,17.547 ; U4.1@26.694,51.762 v1(26.694,53.25)
  Signal Layer 2 w0.131: P2.35@4.95,51.55 5.05,51.55 6.517,53.017 6.583,53.083 6.583,55.316 7.222,55.316 7.222,52.477 7.861,52.477 7.861,55.316 8.5,55.316 8.5,52.477 9.139,52.477 9.139,53.33 9.487,53.33 v1(15.267,53.33) 15.307,53.29 26.654,53.29 v1(26.694,53.25) 28.15,53.25 30.9,50.5 30.9,45.55 44.3,32.15 44.3,22.4 37.8,15.9 30.2,15.9 29.1,14.8 27.8,14.8 26.8,13.8 21.425,13.8 20.625,14.6 20,14.6 17.247,11.847 17.247,11.347 v1(17.2,11.3)
IMU1_MOSI: P2.38 U4.14 U6.14 U9.30 | length 118.7
  Signal Layer 1 w0.131: v1(15.2,12.3) 15.255,12.355 15.955,12.355 20.3,16.7 22.325,16.7 U9.30@23.455,17.83 ; U6.14@15.529,51.08 16.017,51.08 v1(16.767,51.83) ; U4.14@26.956,51 27.444,51 v1(28.194,51.75)
  Signal Layer 2 w0.131: P2.38@2.41,54.09 3.7,52.8 3.7,50.8 4.2,50.3 5.987,50.3 7.517,51.83 9.591,51.83 9.657,51.83 9.657,52.735 10.296,52.735 10.296,51.458 10.935,51.458 10.935,52.735 11.574,52.735 11.574,51.458 12.213,51.458 12.213,52.735 12.852,52.735 12.852,51.83 13,51.83 v1(16.767,51.83) 16.807,51.79 28.154,51.79 v1(28.194,51.75) 30.2,49.744 30.2,44.7 43.7,31.2 43.7,22.6 37.6,16.5 30,16.5 28.9,15.4 27.5,15.4 26.7,14.6 21.8,14.6 21.1,15.3 19.8,15.3 16.893,12.393 15.293,12.393 v1(15.2,12.3)
IMU1_SCLK: P2.40 U4.13 U6.13 U9.29 | length 119.1
  Signal Layer 1 w0.131: v1(14.5,13.3) 14.609,13.409 16.109,13.409 20,17.3 22.31,17.3 23.123,18.113 U9.29@23.172,18.113 ; U6.13@15.529,50.58 v1(17.017,50.58) ; U4.13@26.956,50.5 v1(28.444,50.5)
  Signal Layer 2 w0.131: P2.40@2.41,56.63 2.41,56.41 1,55 1,48.4 1.7,47.7 5.9,47.7 7.2,49 7.2,50.1 7.81,50.71 12.492,50.71 12.621,50.58 v1(17.017,50.58) 17.057,50.54 28.404,50.54 v1(28.444,50.5) 29.525,49.419 29.525,44.175 30.188,43.513 33.475,40.225 43.1,30.6 43.1,22.8 37.4,17.1 29.7,17.1 28.6,16 27.2,16 26.5,15.3 22.2,15.3 21.5,16 19.5,16 16.8,13.3 v1(14.5,13.3)
MIC_IN: C19.2 R17.2 T29.1 U7.4 U9.38 | length 88.3
  Signal Layer 1 w0.131: U7.4@21.93,59.73 21.99,59.67 22.72,59.67 22.98,59.93 23.53,59.93 T29.1@23.7,60.1 23.87,59.93 24.47,59.93 25.23,59.17 R17.2@25.23,58.73 ; v1(22.4,12.6) 23.709,13.909 23.709,14.409 24.3,15 25.15,15 U9.38@25.718,15.568 ; C19.2@24.75,56.93 24.98,57.16 C19.2@24.98,57.23 ; R17.2@25.18,58.73 25.16,58.71 25.16,57.86 24.98,57.68 C19.2@24.98,57.23 ; v1(40.6,47.6) 40.6,52.7 35.1,58.2 29.4,58.2 28.43,57.23 C19.2@24.98,57.23
  Signal Layer 2 w0.131: v1(22.4,12.6) 22.4,12.646 22.854,13.1 26.9,13.1 28,14.2 29.3,14.2 30.4,15.3 38,15.3 44.9,22.2 44.9,32.3 40.5,36.7 40.5,47.5 v1(40.6,47.6)
NetC19_1: C19.1 R17.1 R20.2 T28.1 U7.3 | length 6.9
  Signal Layer 1 w0.131: R20.2@20.5,55.43 T28.1@21.98,55.43 21.954,55.455 21.954,57.106 U7.3@21.93,57.13 22.53,57.13 22.73,56.93 C19.1@23.71,56.93 23.71,58.66 R17.1@23.78,58.73
NetC22_1: C22.1 T27.1 U8.1 | length 3.7
  Signal Layer 1 w0.131: U8.1@15.23,57.43 T27.1@15.23,55.43 C22.1@16.96,55.43
NetC22_2: C22.2 R20.1 | length 1.5
  Signal Layer 1 w0.131: C22.2@18,55.43 R20.1@19.46,55.43
NetC26_2: C26.2 R22.1 R23.2 T32.1 U7.1 | length 11.5
  Signal Layer 1 w0.131: U7.1@20.03,57.13 20.03,58.33 20.75,59.05 R22.1@20.75,61.43 R23.2@22.21,61.43 C26.2@22.21,62.93 22.23,62.95 22.23,63.43 22.75,63.95 24.25,63.95 24.75,63.45 T32.1@24.75,62.95
NetD1_A: D1.A R11.2 | length 1.3
  Signal Layer 1 w0.18: D1.A@28.065,4.9 R11.2@29.399,4.9
NetD2_A: D2.A R12.1 | length 1.2
  Signal Layer 1 w0.18: D2.A@28.065,6.8 R12.1@29.31,6.8
NetP2_2: P2.2 P2.4 R1.1 | length 8.7
  Signal Layer 1 w0.14: P2.2@2.4,8.54 3.655,7.285 5.215,7.285 6.5,6 R1.1@7.48,6
  Signal Layer 2 w0.18: P2.2@2.4,8.54 P2.4@2.4,11.08
NetR3_2: R3.2 U2.4 | length 2.1
  Signal Layer 1 w0.18: U2.4@44.875,2.931 46.749,2.931 R3.2@46.88,2.8
NetR4_2: R4.2 U1.6 | length 1.4
  Signal Layer 1 w0.14: R4.2@35.6,7.28 36.033,6.847 U1.6@36.784,6.847
NetR6_2: R6.2 U1.4 | length 1.3
  Signal Layer 1 w0.131: U1.4@37.584,6.847 38.267,6.847 R6.2@38.7,7.28
NetR30_1: R30.1 S3.C S3.D | length 16.9
  Signal Layer 1 w0.131: S3.C@50.525,39.7 S3.D@50.525,33.7 51.2,33.7 51.6,33.3 52.9,33.3 53.8,32.4 54.9,32.4 55.4,31.9 55.4,27.22 R30.1@55,26.82
PWR_PV: P2.7 R9.1 U2.10 U9.39 | length 70.9
  Signal Layer 1 w0.131: v1(23.75,6) 23.7,6 22.1,7.6 22.1,9.9 23,10.8 23,12.1 23.1,12.2 23.1,12.384 U9.39@26,15.285 ; U2.10@44.225,6.868 44.225,7.23 44.795,7.8 R9.1@45.88,7.8 45.886,7.806 45.886,8.356 45.957,8.427 45.957,8.553 46.25,8.846 v1(46.25,9)
  Signal Layer 2 w0.131: P2.7@4.94,16.16 3.7,14.92 3.7,7.5 4.435,6.766 5.734,6.766 8,4.5 17.7,4.5 18.5,5.3 23.05,5.3 v1(23.75,6) 27.8,6 29.4,7.6 35.2,7.6 36.2,6.6 38.1,6.6 38.231,6.731 38.866,6.731 39.606,7.471 44.721,7.471 v1(46.25,9)
QSPI_CLK: U9.52 U10.6 | length 23.9
  Signal Layer 1 w0.131: U9.52@30.575,16.982 31.152,16.405 35.905,16.405 37.7,18.2 39.3,18.2 39.7,17.8 44.8,17.8 44.866,17.8 44.866,17.892 45.505,17.892 45.505,17.595 46.144,17.595 46.144,17.892 46.783,17.892 46.783,17.595 47.422,17.595 47.422,17.892 48.061,17.892 48.061,17.8 48.6,17.8 50.5,17.8 50.708,18.008 U10.6@50.708,19.149
QSPI_CS: R29.1 R30.2 U9.56 U10.1 | length 35.1
  Signal Layer 1 w0.131: U9.56@31.933,17.887 U9.56@31.707,18.113 31.838,17.982 31.887,17.982 32.018,18.113 34.413,18.113 36.9,20.6 46.9,20.6 47.9,21.6 47.9,27.7 48.7,28.5 52.3,28.5 53.248,27.552 53.248,26.004 53.472,25.78 R30.2@55,25.78 R29.1@55,24.32
QSPI_SD0: U9.53 U10.5 | length 24.1
  Signal Layer 1 w0.131: U9.53@30.858,17.265 31.364,16.759 35.459,16.759 37.5,18.8 40.369,18.8 40.435,18.8 40.435,18.959 41.074,18.959 41.074,18.251 41.713,18.251 41.713,18.959 42.352,18.959 42.352,18.251 42.991,18.251 42.991,18.959 43.63,18.959 43.63,18.251 44.269,18.251 44.269,18.8 44.5,18.8 49.214,18.8 49.438,19.024 U10.5@49.438,19.149
QSPI_SD1: U9.55 U10.2 | length 30
  Signal Layer 1 w0.131: U9.55@31.424,17.83 31.428,17.83 31.792,17.466 34.566,17.466 37.1,20 47.3,20 48.5,21.2 48.5,27.4 49,27.9 51.6,27.9 51.978,27.522 U10.2@51.978,26.359
QSPI_SD2: U9.54 U10.3 | length 25.8
  Signal Layer 1 w0.131: U9.54@31.141,17.547 31.576,17.113 35.013,17.113 37.3,19.4 47.6,19.4 50.708,22.508 U10.3@50.708,26.359
QSPI_SD3: U9.51 U10.7 | length 24.2
  Signal Layer 1 w0.131: U9.51@30.293,16.699 30.94,16.052 36.352,16.052 37.9,17.6 39,17.6 39.4,17.2 51.1,17.2 51.978,18.078 U10.7@51.978,19.149
SCREEN_SCL: P2.15 P4.2 U9.35 | length 47.3
  Signal Layer 1 w0.131: v1(11.75,13.75) 11.75,12.95 13.3,11.4 15.775,11.4 18.866,8.309 19.091,8.309 v1(19.2,8.2) ; U9.35@24.869,16.416 22.75,14.297 22.75,14 21.5,12.75 21.5,12 21.25,11.75 21.25,8.461 21,8.211 v1(21,8.1) 20.9,8 20.9,5.85 22.75,4 25,4 25.6,3.4 25.6,2.605 25.705,2.5 P4.2@26.73,2.5
  Signal Layer 2 w0.131: P2.15@4.94,26.32 6.636,24.624 6.636,22.364 11.4,17.6 11.4,14.211 11.75,13.861 v1(11.75,13.75) ; v1(19.2,8.2) 19.25,8.15 20.796,8.15 20.846,8.1 v1(21,8.1)
SCREEN_SDA: P2.13 P4.1 U9.34 | length 47.4
  Signal Layer 1 w0.131: v1(9.8,13.6) 12.6,10.8 15.475,10.8 19.625,6.65 ; P4.1@24.19,2.5 23.79,2.9 22.35,2.9 19.625,5.625 19.625,6.65 ; U9.34@24.586,16.699 21,13.113 21,12.5 20.1,11.6 20.1,7.125 19.625,6.65
  Signal Layer 2 w0.131: P2.13@4.94,23.78 4.94,23.41 5.268,23.081 5.202,23.015 5.202,22.978 5.268,22.911 5.268,22.732 7.25,20.75 7.296,20.704 7.356,20.644 7.11,20.398 7.562,19.946 7.913,20.296 8.364,19.845 8.014,19.494 8.465,19.042 8.816,19.393 9.268,18.941 8.917,18.59 9.369,18.138 9.615,18.385 9.662,18.338 10.7,17.3 10.7,14.5 v1(9.8,13.6)
SW1: C20.2 P2.29 R18.2 S1.C S1.D U9.4 | length 95.6
  Signal Layer 1 w0.131: v1(27.3,42.6) 27.9,43.2 40.7,43.2 41.8,42.1 43.4,42.1 v1(43.5,42.2) ; U9.4@30.858,20.143 31.716,21 33,21 35.6,23.6 39.6,23.6 40,24 40,26.7 49.6,36.3 49.6,40.85 50.525,41.775 S1.D@50.525,41.9 ; v1(51.8,42.9) R18.2@51.8,41.48 ; R18.2@51.88,41.4 R18.2@51.8,41.48 ; C20.2@51.88,48.4 51.38,47.9 S1.C@50.525,47.9 S1.D@50.525,41.9 ; S1.D@50.525,41.9 51.38,41.9 R18.2@51.8,41.48
  Signal Layer 2 w0.131: P2.29@4.94,44.1 5.126,44.287 5.887,44.287 7.4,45.8 8.9,45.8 13.425,41.275 25.175,41.275 26.5,42.6 v1(27.3,42.6) ; v1(43.5,42.2) 44.802,40.898 49.798,40.898 v1(51.8,42.9)
SW2: C25.2 P2.31 R21.2 S2.C S2.D U9.5 | length 108.6
  Signal Layer 1 w0.131: v1(26.3,43.5) 26.7,43.9 40.8,43.9 41.5,43.2 v1(42.7,43.2) ; U9.5@30.575,20.425 31.65,21.5 32.8,21.5 35.5,24.2 38.4,24.2 39.4,25.2 39.4,27 48.9,36.5 48.9,49.7 49.8,50.6 S2.D@50.525,50.6 ; R21.2@51.88,50.1 51.227,50.753 50.678,50.753 S2.D@50.525,50.6 ; C25.2@51.88,57.1 51.38,56.6 S2.C@50.525,56.6 S2.D@50.525,50.6
  Signal Layer 2 w0.131: P2.31@4.94,46.47 9.23,46.47 13.85,41.85 24.65,41.85 v1(26.3,43.5) ; v1(42.7,43.2) 45.1,43.2 46.1,42.2 48.8,42.2 49.807,43.207 49.807,51.607 v1(50.5,52.3)
SWCLK: P3.2 P5.1 U9.24 | length 77.3
  Signal Layer 1 w0.131: P5.1@11.06,8.5 8.217,11.343 8.217,19.967 10.35,22.1 14,22.1 14.7,21.4 17.3,21.4 17.7,21 18.4,21 18.9,20.5 21.7,20.5 22.1,20.9 23.78,20.9 24.255,20.425 U9.24@24.303,20.425 ; v1(41,24.7) 41.95,25.65 41.996,25.696 41.733,25.96 42.185,26.411 43.119,25.478 43.571,25.93 42.637,26.863 43.089,27.315 44.022,26.381 44.474,26.833 43.54,27.767 43.992,28.219 44.256,27.956 44.5,28.2 45,28.7 45,29.5 46.8,31.3 P3.2@49.29,31.3
  Signal Layer 2 w0.131: v1(19.4,20.5) 21.9,23 23.25,23 25.75,25.5 28,25.5 32.1,29.6 38.4,29.6 39.9,28.1 39.9,25.2 40.4,24.7 v1(41,24.7)
SWDIO: P3.4 P5.3 U9.25 | length 76.9
  Signal Layer 1 w0.131: P5.3@16.14,8.5 14.64,10 11.6,10 11.413,10.187 9.464,12.136 8.9,12.7 8.9,19.65 10.75,21.5 13.7,21.5 14.4,20.8 16.8,20.8 17.445,20.155 17.845,20.155 v1(17.9,20.1) 17.9,19.966 18.266,19.6 21.6,19.6 22.483,20.483 23.632,20.483 23.691,20.423 23.972,20.143 U9.25@24.02,20.143 ; v1(41,26.3) 41.055,26.355 41.055,26.755 46.8,32.5 50.099,32.5 50.56,32.039 P3.4@50.56,31.3
  Signal Layer 2 w0.131: v1(17.9,20.1) 17.9,20.251 18.211,20.562 18.211,20.654 21.307,23.75 23,23.75 25.552,26.302 27.552,26.302 31.75,30.5 38.7,30.5 41,28.2 v1(41,26.3)
USB_N: P1.2 R25.1 | length 21.2
  Signal Layer 1 w0.14: R25.1@32.9,10.9 33.23,11.23 33.23,11.439 33.312,11.522 40.322,11.522 42.6,13.8 48.554,13.8 50.613,11.741 51.027,11.741 51.088,11.68 51.695,11.68 P1.2@51.825,11.55
USB_P: P1.3 R26.1 | length 21.3
  Signal Layer 1 w0.14: R26.1@32.9,12.5 33.23,12.17 33.23,11.871 33.312,11.789 40.211,11.789 42.489,14.067 48.665,14.067 50.723,12.009 51.027,12.009 51.088,12.07 51.695,12.07 P1.3@51.825,12.2
USB_X_N: R25.2 U9.46 | length 5.7
  Signal Layer 1 w0.14: U9.46@28.878,15.285 28.92,15.285 29.265,14.94 29.317,14.94 29.7,14.557 29.7,12.727 30.861,11.566 31.088,11.566 31.17,11.484 31.17,11.23 R25.2@31.5,10.9
USB_X_P: R26.2 U9.47 | length 5.4
  Signal Layer 1 w0.14: U9.47@29.161,15.568 29.161,15.525 29.506,15.181 29.506,15.129 29.967,14.668 29.967,12.838 30.972,11.834 31.088,11.834 31.17,11.916 31.17,12.17 R26.2@31.5,12.5
XIN: C40.2 T39.1 U9.20 X2.3 | length 12.8
  Signal Layer 1 w0.131: X2.3@15.255,27.702 17.005,27.702 C40.2@17.155,27.552 17.202,27.505 17.995,27.505 T39.1@19.75,25.75 20.4,25.1 22.1,25.1 24.6,22.6 24.6,22.391 U9.20@25.435,21.557
XOUT: R24.1 U9.21 | length 13
  Signal Layer 1 w0.131: R24.1@14.675,22.852 15.405,22.852 17.703,25.15 18.65,25.15 19.6,24.2 21.8,24.2 23.3,22.7 23.726,22.7 U9.21@25.152,21.274
XOUT`: C39.2 R24.2 T38.1 X2.1 | length 4.9
  Signal Layer 1 w0.131: T38.1@11.905,24.352 C39.2@13.455,24.352 13.455,25.602 X2.1@13.055,26.002 ; R24.2@13.635,22.852 C39.2@13.635,24.352
pads on no net: F1.F1 F2.F3 F3.F2 P1.4 P2.1 P2.17 P2.33 P3.6 P3.10 U2.8 U2.9 U2.13 U3.2 U3.3 U3.7 U3.10 U3.11 U4.2 U4.3 U4.7 U4.10 U4.11 U5.2 U5.3 U5.7 U5.10 U5.11 U6.2 U6.3 U6.7 U6.10 U6.11 U9.26 U9.36 U9.37 U12.0 U12.1 U12.2 U12.3 U12.4 U12.5 U12.8 U12.9 U12.10 U12.11

## Polygon pours and split planes (outlines as drawn)
GND on Signal Layer 1 "TOP_GND" (solid, remove dead copper, pour order 0): 3,0 cw(c3,3) 0,3 0,62 cw(c3,62) 3,65 53,65 cw(c53,62) 56,62 56,3 cw(c53,3) 53,0
GND on Bottom GND "GND_TOP_MID" (solid, pour order 1): 3,0 cw(c3,3) 0,3 0,62 cw(c3,62) 3,65 53,65 cw(c53,62) 56,62 56,3 cw(c53,3) 53,0
GND on Top GND "GND_BOT_MID" (solid, pour order 2): 3,0 cw(c3,3) 0,3 0,62 cw(c3,62) 3,65 53,65 cw(c53,62) 56,62 56,3 cw(c53,3) 53,0
GND on Signal Layer 2 "GND_BOT" (solid, pour order 3): 3,0 cw(c3,3) 0,3 0,62 cw(c3,62) 3,65 53,65 cw(c53,62) 56,62 56,3 cw(c53,3) 53,0

## Keep-outs
Signal Layer 1:
  rectangle: 14.075,49.95 14.95,51.25
  rectangle: 25.5,49.85 26.4,51.175
  rectangle: 25.625,34.5 26.475,35.75
  rectangle: 14.175,34.525 15.075,35.85
Keep-Out Layer:
  the board outline again, w0.6

## Silkscreen, mask and mechanical layers (free items; w line width, h text height)
Top Overlay:
  drawing of 157 lines, arcs and shapes, not listed
  text "5V" at 43.852,62.352 h1
  text "ESP32C6" at 34.15,60.15 h1
  text "IMU1" at 13.15,52.85 h1
  text "IMU2" at 24.55,52.75 h1
  text "SW2" at 49.35,42.45 h1 r90
  text "32.687kHz" at 30.65,42.05 h1
  text "SW1" at 49.45,39.45 h1 r90
  text "EEPROM" at 8.675,39.325 h1
  text "IMU3" at 13.25,37.35 h1
  text "IMU4" at 24.65,37.25 h1
  text "3V3" at 17.902,36.452 h1
  text "FINMAC." at 34.6,35.731 h1.88
  text "SYSTEMS" at 41.2,35.729 h1.88
  text "BOOT" at 49.45,35.05 h1 r90
  text "1V8" at 25.252,30.052 h1
  text "12MHz" at 7.25,27.55 h1
  text "CORTEX" at 48.452,27.427 h1
  text "XIN" at 20.552,25.252 h1
  text "XOUT" at 7.452,23.752 h1
  text "3V3" at 21.152,23.202 h1
  text "QFUSE" at 25.804,23.051 h4 r45
  text "1V8" at 22.052,21.852 h1
  text "JACOB FINGER" at 36,18.833 h2
  text "LIAM MCLAREN" at 35.8,17.433 h2
  text "RP2040" at 21.229,16.875 h1 r315
  text "IN" at 43.05,11.65 h1
  text "5V" at 48.2,10.316 h1 r45
  text "SWCLK" at 10.8,10.116 h1 r45
  text "SWDIO" at 15.2,10.016 h1 r45
  text "3V3" at 39.9,9.616 h1 r45
  text "SWD" at 6.65,9.35 h1
  text "1V8" at 41.5,9.116 h1 r45
  text "5V" at 43.1,8.916 h1 r45
  text "OUT" at 31.07,7.65 h1
  text "5V" at 50.05,7.516 h1 r45
  text "3V3" at 22.552,6.252 h1
  text "AUX" at 10.07,5.25 h1
  text "1V8" at 22.752,4.252 h1
  text "5V" at 13.6,3.716 h1 r45
  text "1V8" at 18.4,3.716 h1 r45
  text "3V3" at 16,3.616 h1 r45
  text "SDA" at 33.552,0.752 h1
  text "SCL" at 36.952,0.752 h1
Bottom Overlay:
  drawing of 1448 lines, arcs and shapes, not listed

## Text inside footprints (layer, text, board x,y; h text height)
P1: Mechanical 13 "PCB EDGE" at 55.75,16.7 h0.41 r90
U12: Mechanical 1 "PCB EDGE" at 49.05,65.15 h0.41